# Altium PCB Tfinal3.PcbDoc (part 1 of 2) (continued)
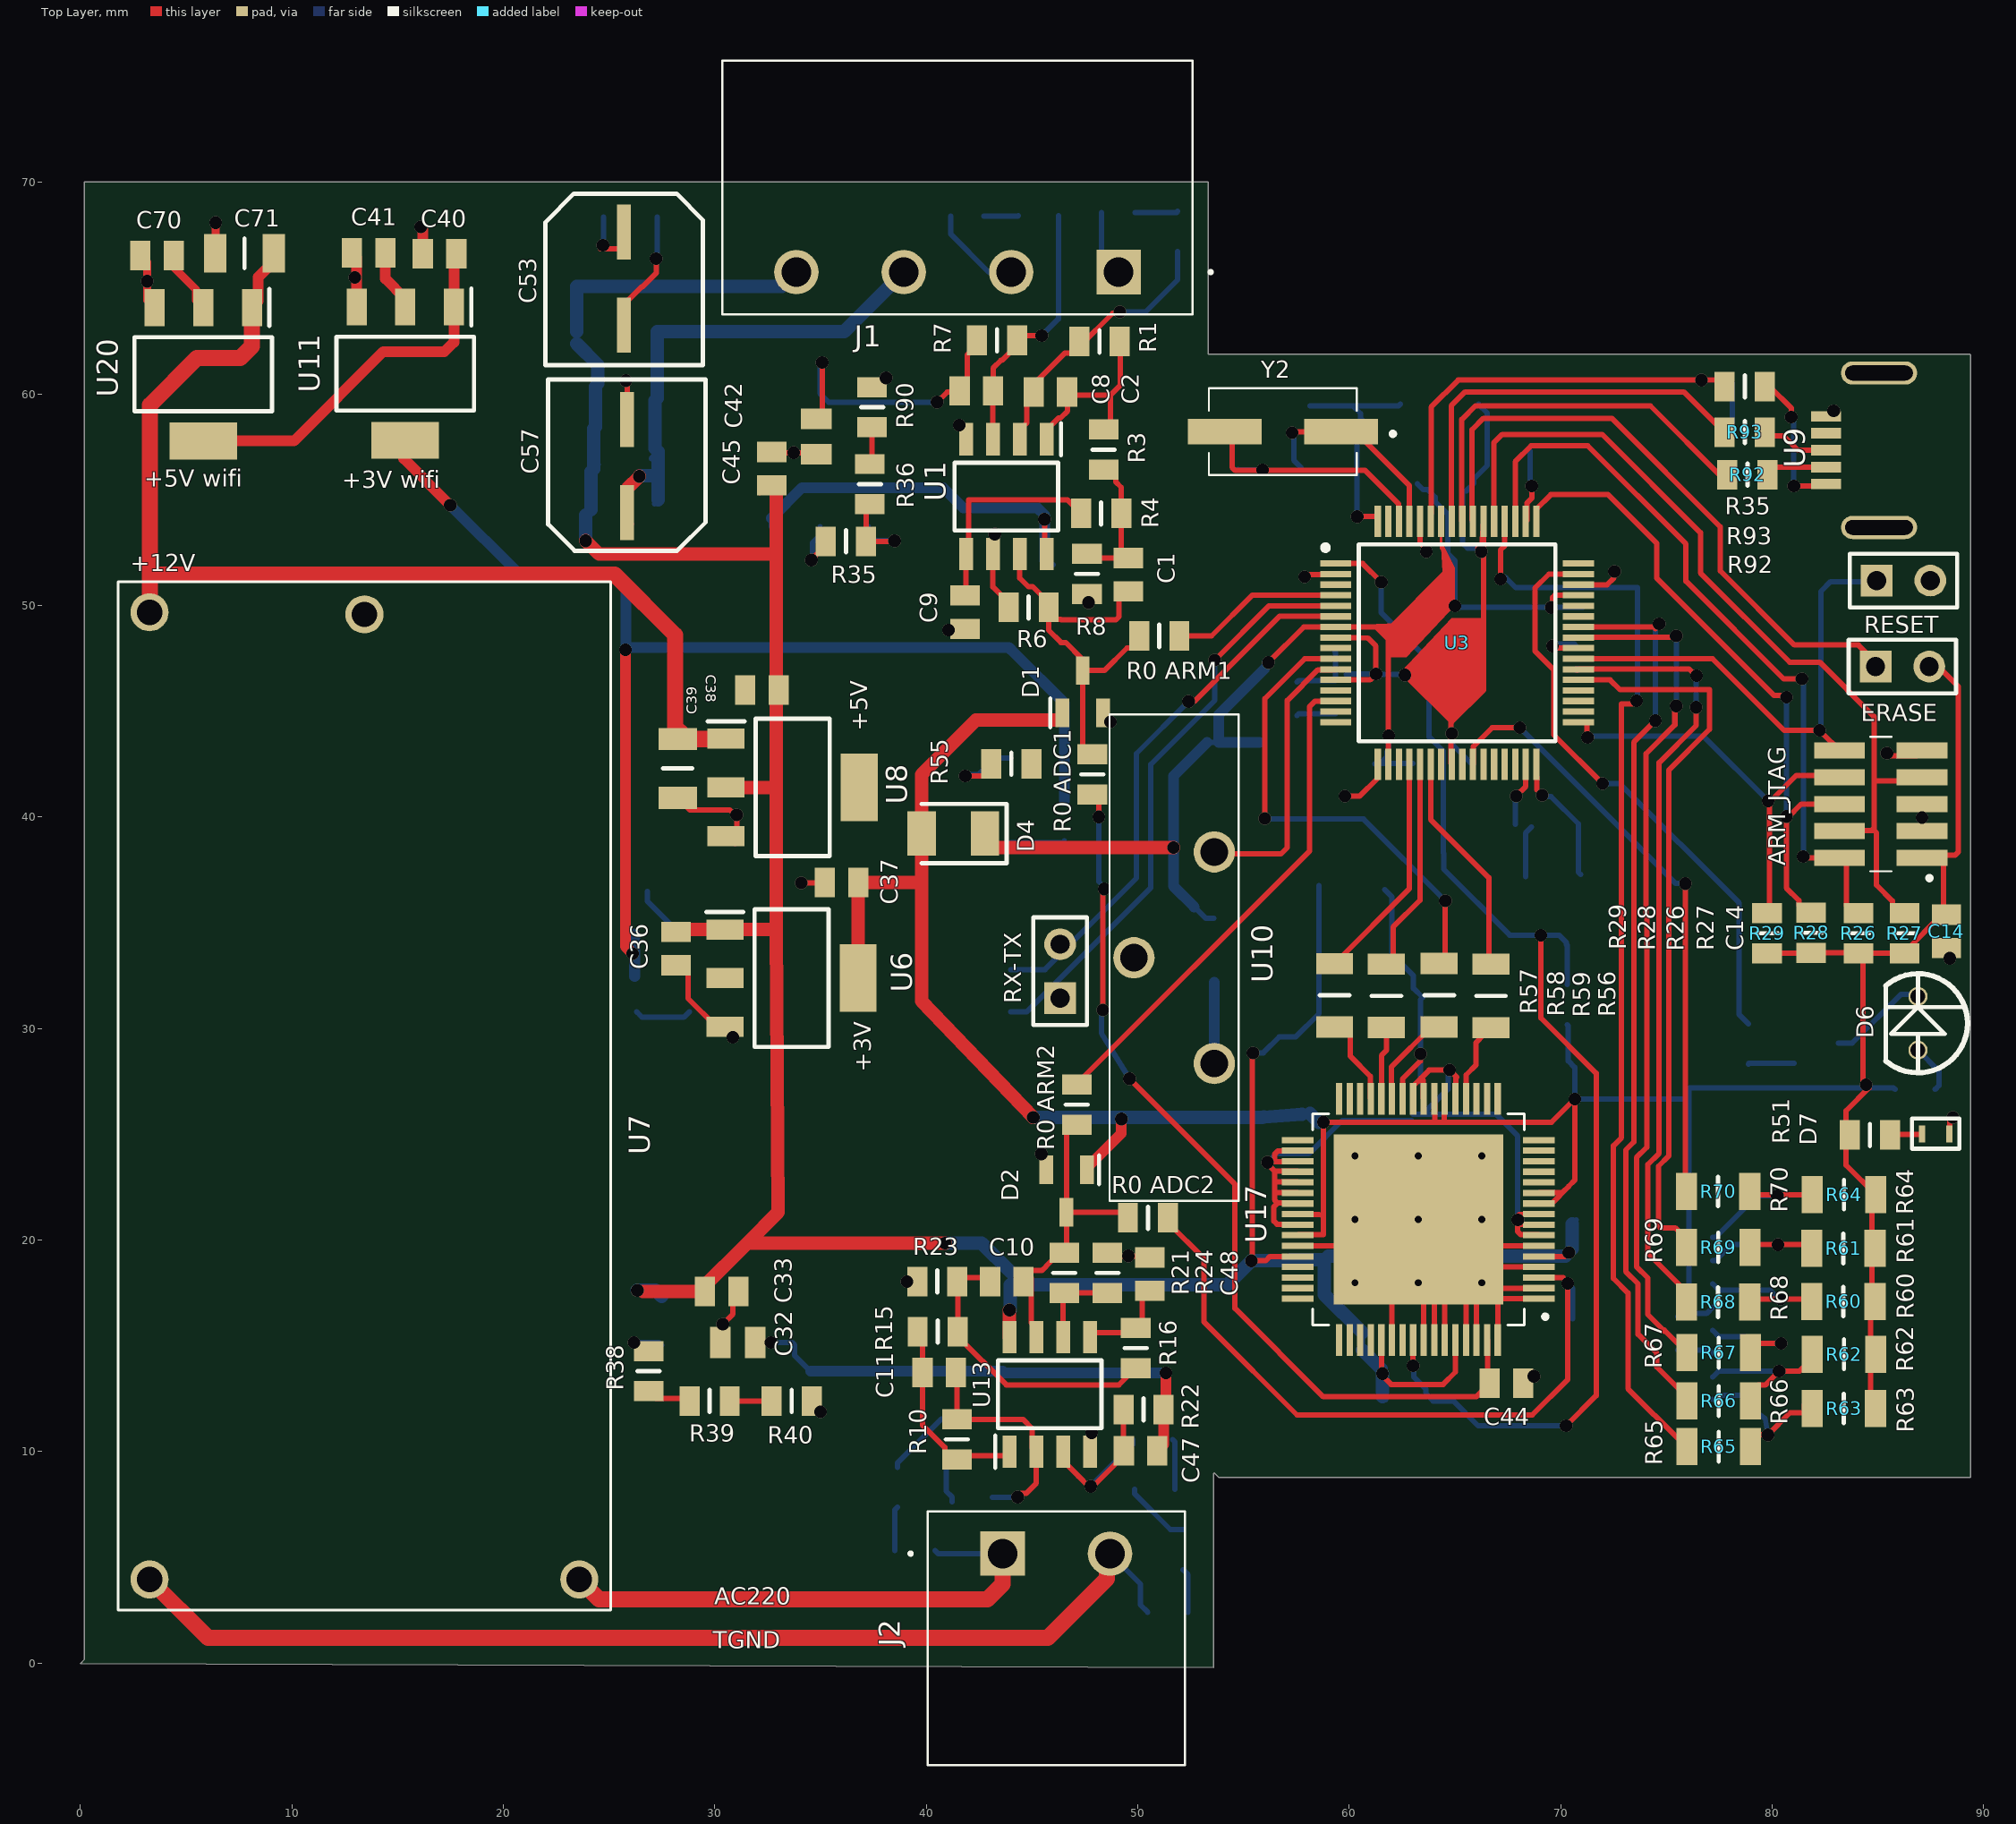
[diagram p0: Top Layer view]
## Components (designator, comment, footprint, x,y, rotation, side; value= is the part's Value field where it differs from the comment) (continued)
ERASE "Comment" HDR1X2 84.887,47.117 r0 top
IC1 "Comment" LM1117MP-ADJ/NOPB 30.632,15.037 r0 bottom locked
IC2 "Comment" LM1117MP-ADJ/NOPB 34.976,56.871 r90 bottom locked
J1 "Comment" "conector 4pines" 41.605,69.952 r180 top locked
J2 "Comment" "conector 2pines" 46.025,0.991 r0 top locked
L1 "CM453232-100KL" "Inductor smd 1812 ok" 64.393,63.576 r180 bottom locked
Q2 "MMBT2222ALT1G" "transistor led ok" 82.084,29.312 r0 bottom locked (schematic designator Q1)
"R0 ADC1" "Comment" "res 0805 ok" 45.644,42.047 r90 top
"R0 ADC2" "Comment" "res 0805 ok" 50.51,23.266 r0 top
"R0 ARM1" "Comment" "res 0805 ok" 51.044,50.775 r0 top
"R0 ARM2" "Comment" "res 0805 ok" 49.327,26.375 r270 top
R1 "RC0805FR-074K7L" "res 0805 ok" 48.169,60.274 r180 top locked
R2 "RC0805FR-073K16L" "res 0805 ok" 49.682,67.655 r270 bottom locked
R3 "RC0805FR-079K31L" "res 0805 ok" 50.597,57.343 r270 top locked
R4 "RC0805FR-074K7L" "res 0805 ok" 48.296,56.566 r0 top locked
R5 "RC0805FR-073K16L" "res 0805 ok" 45.329,66.218 r0 bottom locked
R6 "RC0805FR-0710KL" "res 0805 ok" 44.867,52.121 r0 top locked
R7 "RC0805FR-074K7L" "res 0805 ok" 43.322,60.325 r180 top locked
R8 "RC0805FR-079K31L" "res 0805 ok" 49.809,51.471 r270 top locked
R9 "RC0805FR-0710KL" "res 0805 ok" 40.97,50.917 r270 bottom locked
R10 "RC0805FR-074K7L" "res 0805 ok" 39.238,10.607 r90 top locked
R11 "RC0805FR-07412KL" "res 0805 ok" 39.487,3.124 r0 bottom
R12 "RC0805FR-07412KL" "res 0805 ok" 36.424,8.291 r270 bottom
R13 "RC0805FR-07412KL" "res 0805 ok" 43.155,10.627 r90 bottom
R14 "RC0805FR-0715K8L" "res 0805 ok" 42.154,10.058 r180 bottom locked
R15 "RC0805FR-079K31L" "res 0805 ok" 40.569,17.887 r0 top locked
R16 "RC0805FR-074K7L" "res 0805 ok" 52.116,14.874 r270 top locked
R17 "RC0805FR-07412KL" "res 0805 ok" 51.399,4.623 r180 bottom
R18 "RC0805FR-07412KL" "res 0805 ok" 49.936,5.344 r270 bottom
R19 "RC0805FR-07412KL" "res 0805 ok" 50.785,10.439 r180 bottom
R20 "RC0805FR-0715K8L" "res 0805 ok" 50.734,8.357 r0 bottom
R21 "RC0805FR-0710KL" "res 0805 ok" 44.318,18.481 r90 top locked
R22 "RC0805FR-074K7L" "res 0805 ok" 50.302,14.204 r0 top locked
R23 "RC0805FR-079K31L" "res 0805 ok" 40.498,15.829 r180 top locked
R24 "RC0805FR-0710KL" "res 0805 ok" 46.355,18.481 r90 top locked
R25 "RC0805FR-07130RL" "res 0805 ok" 86.782,24.917 r0 bottom locked
R26 "AC0805JR-07100KL" "res 0805 ok" 86.284,34.483 r270 top locked
R27 "AC0805JR-07100KL" "res 0805 ok" 88.468,34.483 r270 top locked
R28 "AC0805JR-07100KL" "res 0805 ok" 84.049,34.503 r270 top locked
R29 "AC0805JR-07100KL" "res 0805 ok" 81.966,34.483 r270 top locked
R31 "RC0805JR-0710KL" "res 0805 ok" 66.319,58.252 r270 bottom locked
R32 "RC0805JR-0710KL" "res 0805 ok" 71.763,50.194 r180 bottom locked
R34 "RC0805JR-0710KL" "res 0805 ok" 76.657,29.251 r270 bottom locked (schematic designator R30)
R35 "Comment" "res 0805 ok" 36.231,55.245 r0 top locked
R35 "AC0805JR-07100KL" "res 0805 ok" 78.679,58.141 r180 top locked
R36 "Comment" "res 0805 ok" 35.128,55.763 r90 top locked
R38 "Comment" "res 0805 ok" 24.663,13.833 r90 top locked
R39 "Comment" "res 0805 ok" 29.733,10.185 r180 top locked
R40 "Comment" "res 0805 ok" 33.614,10.185 r180 top locked
R51 "RC0805FR-07130RL" "res 0805 ok" 84.643,27.178 r0 top locked (schematic designator R25)
R52 "RC0805JR-0710KL" "res 0805 ok" 28.499,31.455 r90 bottom locked
R53 "RC0805JR-0710KL" "res 0805 ok" 24.054,35.443 r270 bottom locked
R54 "RC0805JR-0710KL" "res 0805 ok" 44.323,39.792 r270 bottom locked
R55 "RC0805JR-0710KL" "res 0805 ok" 44.003,40.31 r180 top locked
R56 "RC1206JR-07100RL" "Res 1206 ok" 63.932,31.624 r90 top locked
R57 "RC1206JR-07100RL" "Res 1206 ok" 56.54,31.65 r90 top locked
R58 "RC1206JR-07100RL" "Res 1206 ok" 58.991,31.627 r90 top locked
R59 "RC1206JR-07100RL" "Res 1206 ok" 61.485,31.653 r90 top locked
R60 "RC1206JR-0768KL" "Res 1206 ok" 83.288,14.326 r180 top locked
R61 "RC1206JR-0768KL" "Res 1206 ok" 83.288,16.84 r180 top locked
R62 "RC1206JR-0768KL" "Res 1206 ok" 83.313,11.836 r180 top locked
R63 "RC1206JR-0768KL" "Res 1206 ok" 83.311,9.271 r180 top locked
R64 "RC1206JR-0768KL" "Res 1206 ok" 83.313,19.38 r180 top locked
R65 "RC1206JR-07100RL" "Res 1206 ok" 77.545,13.005 r0 top locked
R66 "RC1206JR-07100RL" "Res 1206 ok" 77.545,15.164 r0 top locked
R67 "RC1206JR-07100RL" "Res 1206 ok" 77.545,17.45 r0 top locked
R68 "RC1206JR-07100RL" "Res 1206 ok" 77.519,19.837 r0 top locked
R69 "RC1206JR-07100RL" "Res 1206 ok" 77.522,22.428 r0 top locked
R70 "RC1206JR-07100RL" "Res 1206 ok" 77.519,25.07 r0 top locked
R90 "Comment" "res 0805 ok" 35.23,59.4 r90 top locked
R91 "Comment" "Res 1206 ok" 79.681,57.774 r0 bottom locked (schematic designator H1)
R92 "RC0805JR-0722RL" "res 0805 ok" 78.857,58.395 r0 top locked
R93 "RC0805JR-0722RL" "res 0805 ok" 78.73,60.401 r0 top locked
RESET "Comment" HDR1X2 84.938,51.181 r0 top
RX-TX "Comment" HDR1X2 46.33,31.445 r90 top
SS "CAP_CC0805KRX7R8BB104_YAGEO" "CAP smd 0805 ok" 78.974,61.229 r0 bottom locked
U1 "TLV2472CDR" "tlv2472 ok" 41.885,60.102 r270 top locked
U2 "LM2660MX/NOPB" "LM2660MX/NOPB ok" 25.375,65.659 r270 bottom locked
U3 "ATSAM4S8BA-AU" "arm ok" 65.1,48.235 r0 top locked
U4 "Comment" "micro sd" 82.529,17.152 r90 bottom locked
U5 "Comment" "3v reference ok" 71.272,31.267 r0 bottom
U6 "LM1117MP-3.3" "LM1117MP-3.3 ok" 33.63,32.385 r0 top locked
U7 "VOF-10B-S12" "CONV_VOF-10B-S12 ok" 13.437,26.821 r90 top locked
U8 "" "LM1117MP-5.0/NOPB ok" 34.569,41.529 r0 top locked
U9 "Comment" "usb mini" 88.649,57.342 r90 top locked
U10 "Comment" pila 52.095,33.35 r270 top locked
U11 "LM1117MP-3.3" "LM1117MP-3.3 ok" 15.367,60.96 r270 top locked
U12 "esp8266 12f" "modulo wifi ok" 36.398,34.29 r0 bottom locked
U13 "TLV2472CDR" "tlv2472 ok" 47.747,7.758 r90 top locked
U17 "ADS1174IPAPT" adc 63.271,20.98 r180 top locked
U19 "LM1117MP-1.8/NOPB" "1V8 ALIMENTACION" 59.868,32.029 r0 bottom
U20 "" "LM1117MP-5.0/NOPB ok" 5.944,60.045 r270 top locked (schematic designator U8)
Y1 "ECS-.327-12.5-34S-TR" "clk 32k ok" 69.587,35.942 r180 bottom locked
Y2 "ECS-120-20-3X-TR" "clk 12M ok" 57.383,52.375 r180 top

## Footprints (in the part's own frame and the unit in brackets; to place one, negate y for a bottom-side part, rotate by r counter-clockwise, add the part's x,y. Pads: shape width x height; smd on the part's side, far side on the other; paste and mask are expansions set on the pad)
"1V8 ALIMENTACION" [mm]
  rect 2.05x1 smd: 1(-3.175,2.427) 2(-3.175,0.127) 3(-3.175,-2.173)
  rect 2.05x3.25 smd: 4(3.175,0.127)
  silkscreen extent -3.3,-3.22 1.85,3.6, body extent -3.5,-3.12 3.5,3.38, height 1.62
"3v reference ok" [mm]
  rect 1.1x0.6 smd: 1(-0.973,1.077) 2(-0.973,-0.823) 3(1.227,0.127)
  silkscreen extent -1.52,-1.33 0.33,1.63, body extent -1.06,-1.33 1.31,1.59, height 0.94
adc [mm]
  rect 1.5x0.3 smd mask+0: 1(-5.7,3.75) 2(-5.7,3.25) 3(-5.7,2.75) 4(-5.7,2.25) 5(-5.7,1.75) 6(-5.7,1.25) 7(-5.7,0.75) 8(-5.7,0.25) 9(-5.7,-0.25) 10(-5.7,-0.75) 11(-5.7,-1.25) 12(-5.7,-1.75) 13(-5.7,-2.25) 14(-5.7,-2.75) 15(-5.7,-3.25) 16(-5.7,-3.75) 33(5.7,-3.75) 34(5.7,-3.25) 35(5.7,-2.75) 36(5.7,-2.25) 37(5.7,-1.75) 38(5.7,-1.25) 39(5.7,-0.75) 40(5.7,-0.25) 41(5.7,0.25) 42(5.7,0.75) 43(5.7,1.25) 44(5.7,1.75) 45(5.7,2.25) 46(5.7,2.75) 47(5.7,3.25) 48(5.7,3.75)
  rect 0.3x1.5 smd mask+0: 17(-3.75,-5.7) 18(-3.25,-5.7) 19(-2.75,-5.7) 20(-2.25,-5.7) 21(-1.75,-5.7) 22(-1.25,-5.7) 23(-0.75,-5.7) 24(-0.25,-5.7) 25(0.25,-5.7) 26(0.75,-5.7) 27(1.25,-5.7) 28(1.75,-5.7) 29(2.25,-5.7) 30(2.75,-5.7) 31(3.25,-5.7) 32(3.75,-5.7) 49(3.75,5.7) 50(3.25,5.7) 51(2.75,5.7) 52(2.25,5.7) 53(1.75,5.7) 54(1.25,5.7) 55(0.75,5.7) 56(0.25,5.7) 57(-0.25,5.7) 58(-0.75,5.7) 59(-1.25,5.7) 60(-1.75,5.7) 61(-2.25,5.7) 62(-2.75,5.7) 63(-3.25,5.7) 64(-3.75,5.7)
  rect 8.026x8.026 smd paste-5 mask+0: 65(0,0)
  silkscreen extent -6.1,-5 5,5, body extent -6,-6 6,6, height 1.2
"arm ok" [mm]
  rect 1.475x0.3 smd: 1(-5.738,3.75) 2(-5.738,3.25) 3(-5.738,2.75) 4(-5.738,2.25) 5(-5.738,1.75) 6(-5.738,1.25) 7(-5.738,0.75) 8(-5.738,0.25) 9(-5.738,-0.25) 10(-5.738,-0.75) 11(-5.738,-1.25) 12(-5.738,-1.75) 13(-5.738,-2.25) 14(-5.738,-2.75) 15(-5.738,-3.25) 16(-5.738,-3.75) 33(5.738,-3.75) 34(5.738,-3.25) 35(5.738,-2.75) 36(5.738,-2.25) 37(5.738,-1.75) 38(5.738,-1.25) 39(5.738,-0.75) 40(5.738,-0.25) 41(5.738,0.25) 42(5.738,0.75) 43(5.738,1.25) 44(5.738,1.75) 45(5.738,2.25) 46(5.738,2.75) 47(5.738,3.25) 48(5.738,3.75)
  rect 0.3x1.475 smd: 17(-3.75,-5.738) 18(-3.25,-5.738) 19(-2.75,-5.738) 20(-2.25,-5.738) 21(-1.75,-5.738) 22(-1.25,-5.738) 23(-0.75,-5.738) 24(-0.25,-5.738) 25(0.25,-5.738) 26(0.75,-5.738) 27(1.25,-5.738) 28(1.75,-5.738) 29(2.25,-5.738) 30(2.75,-5.738) 31(3.25,-5.738) 32(3.75,-5.738) 49(3.75,5.738) 50(3.25,5.738) 51(2.75,5.738) 52(2.25,5.738) 53(1.75,5.738) 54(1.25,5.738) 55(0.75,5.738) 56(0.25,5.738) 57(-0.25,5.738) 58(-0.75,5.738) 59(-1.25,5.738) 60(-1.75,5.738) 61(-2.25,5.738) 62(-2.75,5.738) 63(-3.25,5.738) 64(-3.75,5.738)
  silkscreen extent -6.35,-4.65 4.65,4.65, body extent -6,-6 6,6, height 1.6
"Cap 100uf" [mm] "0805"
  rect 0.97x1.47 smd: 1(-0.805,0.025) 2(0.855,0.025)
  body extent -0.97,-0.6 1.03,0.65, height 1.45
"cap smd 6.6x7.7" [mm]
  rect 2.6x0.65 smd: 1(-2.2,0) 2(2.2,0)
  silkscreen extent -4.01,-3.71 4.09,3.73, body extent -3.7,-3.27 3.6,3.33, height 7.7
"CAP smd 0805 ok" [mm]
  rect 0.96x1.39 smd: 1(-0.917,2.642) 2(0.663,2.642)
  body extent -1.13,2.02 0.87,3.27, height 0.95
"CAP smd 0805 OK" [mm]
  rect 0.96x1.39 smd: 1(-0.917,2.642) 2(0.663,2.642)
  body extent -1.13,2.02 0.87,3.27, height 0.95
"cap smd 1206 ok" [mm]
  rect 1.05x1.82 smd: 1(-1.593,-4.928) 2(1.187,-4.928)
  silkscreen extent -0.2,-5.63 -0.2,-4.23, body extent -1.8,-5.73 1.4,-4.13, height 1.8
"clk 12M ok" [mm]
  rect 3.5x1.2 smd: 1(-2.231,-5.842) 2(3.269,-5.842)
  silkscreen extent -4.78,-7.89 4.02,-3.79, body extent -3.29,-7.78 4.31,-3.68, height 2.31
"clk 32k ok" [mm]
  rect 1.1x1.9 smd: 1(-1.25,3.302) 2(1.25,3.302)
  silkscreen extent -2.3,2.55 0.5,4.05, body extent -1.6,2.55 1.6,4.05, height 0.92
"conector 2pines" [mm]
  rect 2.1x2.1 hole 1.4: 1(-2.413,4.191)
  round 2.1 hole 1.4: 2(2.667,4.191)
  silkscreen extent -6.81,-5.81 6.21,6.19, body extent -5.99,-5.81 6.17,6.19, height 8.89
"conector 4pines" [mm]
  rect 2.1x2.1 hole 1.4: 1(-7.493,4.191)
  round 2.1 hole 1.4: 2(-2.413,4.191) 3(2.667,4.191) 4(7.747,4.191)
  silkscreen extent -11.89,-5.81 11.25,6.19, body extent -10.82,-5.81 11.18,6.19, height 8.66
"conector jtag ok" [mm]
  rect 0.76x2.4 smd: 1(-2.54,-1.95) 2(-2.54,1.95) 3(-1.27,-1.95) 4(-1.27,1.95) 5(0,-1.95) 6(0,1.95) 7(1.27,-1.95) 8(1.27,1.95) 9(2.54,-1.95) 10(2.54,1.95)
  silkscreen extent -3.6,-2.4 3.17,0.5, body extent -3.2,-2.75 3.15,2.75, height 4.55
"CONV_VOF-10B-S12 ok" [mm]
  round 1.8 hole 1.2: 1(-22.86,10.16) 2(-22.86,-10.16) 3(22.86,10.16) 4(22.76,0)
  silkscreen extent -24.3,-11.65 24.3,11.65, body extent -24.38,-11.81 24.22,11.49, height 19.21
"Diode led" [mm]
  round 0.9 hole 0.7: A(-1.27,0) K(1.27,0)
  silkscreen extent -2.35,-2.34 2.35,1.52, body extent -1.99,-2.03 1.99,1.46, height 5.02
"diode shockit ok" [mm]
  rect 1.35x0.65 smd: 1(-1.15,0.985) 2(-1.15,-0.935) 3(0.85,0.025)
  silkscreen extent -1.82,1.56 -0.47,1.56, body extent -1.32,-1.42 1.08,1.48, height 1.01
"Diode smd 0603 green" [mm]
  rect 0.3x0.8 smd: A(-0.65,0) K(0.65,0)
  silkscreen extent -1.13,-0.7 1.13,0.73, body extent -0.8,-0.4 0.8,0.4, height 0.6
"diodo alimentacion" [mm]
  rect 1.35x2.1 smd: 1(-1.5,0) 2(1.5,0)
  silkscreen extent -2.53,-1.4 1.5,1.4, body extent -1.7,-0.95 1.7,0.95, height 1.16
HDR1X2 [mm] "Connector; Header; 2 Position"
  rect 1.5x1.5 hole 0.9: 1(0,0)
  round 1.5 hole 0.9: 2(2.54,0)
  silkscreen extent -1.27,-1.27 3.81,1.27
"Inductor smd 1812 ok" [mm]
  rect 2.15x1.25 smd: 1(-1.723,-4.064) 2(1.977,-4.064)
  silkscreen extent -2.67,-5.66 2.79,-2.03, body extent -2.12,-5.66 2.38,-2.46, height 3.4
"LM1117MP-3.3 ok" [mm]
  rect 1.75x0.95 smd: 1(-3.15,2.3) 2(-3.15,0) 3(-3.15,-2.3)
  rect 1.75x3.2 smd: 4(3.15,0)
  silkscreen extent -4.02,-3.25 1.75,3.25, body extent -3.5,-3.25 3.5,3.25, height 1.68
"LM1117MP-5.0/NOPB ok" [mm]
  rect 1.75x0.95 smd: 1(-4.039,2.173) 2(-4.039,-0.127) 3(-4.039,-2.427)
  rect 1.75x3.2 smd: 4(2.261,-0.127)
  silkscreen extent -4.91,-3.38 0.86,3.12, body extent -4.39,-3.38 2.61,3.12, height 1.68
LM1117MP-ADJ/NOPB [mm]
  rect 1.75x0.95 smd: 1(-3.15,2.3) 2(-3.15,0) 3(-3.15,-2.3)
  rect 1.75x3.2 smd: 4(3.15,0)
  silkscreen extent -4.02,-3.25 1.75,3.25, body extent -3.5,-3.25 3.5,3.25, height 1.68
"LM2660MX/NOPB ok" [mm]
  rect 1.528x0.65 smd: 1(-2.711,1.905) 2(-2.711,0.635) 3(-2.711,-0.635) 4(-2.711,-1.905) 5(2.711,-1.905) 6(2.711,-0.635) 7(2.711,0.635) 8(2.711,1.905)
  silkscreen extent -3.48,-2.45 1.6,2.58, body extent -3.01,-2.45 3.01,2.45, height 1.63
"micro sd" [mm]
  rect 0.85x1.1 smd: 1(2.978,-5.338) 2(1.878,-5.338) 3(0.778,-5.338) 4(-0.322,-5.338) 5(-1.422,-5.338) 6(-2.522,-5.338) 7(-3.622,-5.338)
  rect 0.75x1.1 smd: 8(-4.672,-5.338)
  rect 1.17x1.8 smd: 9(-5.882,-4.988)
  rect 1.9x1.35 smd: 10(-3.857,5.487) 11(2.113,5.487)
  rect 1.2x1 smd: 12(5.613,4.512) 13(5.613,0.812)
  rect 1.55x1.35 smd: 14(5.438,-5.213)
  silkscreen extent -6.1,-6.31 5.85,5.81, body extent -6,-5.47 5.95,5.93, height 1.44
"modulo wifi ok" [mm]
  rect 2.5x1 smd: 1(-7.6,3.5) 2(-7.6,1.5) 3(-7.6,-0.5) 4(-7.6,-2.5) 5(-7.6,-4.5) 6(-7.6,-6.5) 7(-7.6,-8.5) 8(-7.6,-10.5) 15(7.6,-10.5) 16(7.6,-8.5) 17(7.6,-6.5) 18(7.6,-4.5) 19(7.6,-2.5) 20(7.6,-0.5) 21(7.6,1.5) 22(7.6,3.5)
  rect 1x1.8 smd: 9(-5,-12) 10(-3,-12) 11(-1,-12) 12(1,-12) 13(3,-12) 14(5,-12)
  silkscreen extent -9.4,-12 8,12, body extent -8,-12 8,12, height 3.1
pila [mm]
  round 1.95 hole 1.3: 1(-5,1.524) 2(0,-2.276) 3(5,1.524)
  silkscreen extent -11.5,-3.43 11.5,2.67, body extent -11.5,-3.43 11.5,2.67, height 24.68
"res 0805 ok" [mm]
  rect 0.95x1.4 smd: 1(-0.975,-2.21) 2(0.925,-2.21)
  silkscreen extent -0.03,-2.73 -0.03,-1.68, body extent -1.03,-2.83 0.97,-1.58, height 0.6
"Res 1206 ok" [mm]
  rect 1x1.75 smd: 1(-1.576,-2.769) 2(1.424,-2.769)
  silkscreen extent -0.08,-3.47 -0.08,-2.07, body extent -1.63,-3.57 1.47,-1.97, height 0.65
"tlv2472 ok" [mm]
  rect 1.525x0.65 smd: 1(2.241,3.81) 2(2.241,2.54) 3(2.241,1.27) 4(2.241,0) 5(7.665,0) 6(7.665,1.27) 7(7.665,2.54) 8(7.665,3.81)
  silkscreen extent 1.48,-0.54 6.55,4.48, body extent 1.95,-0.54 7.95,4.36, height 1.75
"transistor led ok" [mm]
  rect 1.25x0.6 smd: 1(-1.05,0.955) 2(-1.05,-0.955) 3(1.05,0)
  silkscreen extent -1.68,-1.46 0.07,1.51, body extent -1.18,-1.46 1.19,1.46, height 1.11
"usb mini" [mm]
  rect 0.5x1.4 smd: 1(-1.6,6.1) 2(-0.8,6.1) 3(0,6.1) 4(0.8,6.1) 5(1.6,6.1)
  rrect100% 1.1x3.6 hole 0.7 slot 3.2 at 90 deg: MH1(3.65,3.6) MH2(-3.65,3.6)
  Top Layer pour cut-out: 2.95,2.1 1.5,2.1 1.5,1.3 2.95,1.3
  Top Layer pour cut-out: 2.95,0.5 1.5,0.5 1.5,0 2.95,0
  Top Layer pour cut-out: -1.5,0.5 -2.95,0.5 -2.95,0 -1.5,0
  Top Layer pour cut-out: -1.5,2.1 -2.95,2.1 -2.95,1.3 -1.5,1.3
  Top Layer pour cut-out: -1.5,0 1.5,0 1.5,3.6 -1.5,3.6
  body extent -3.85,-0.5 3.85,6.5, height 3.91

## Part data
ARM_JTAG: "Conn Unshrouded Header HDR 10 POS 1.27mm Solder ST Top Entry SMD Minitek127® T/R", Manufacturer 1="Amphenol ICC / FCI", Supplier Part Number 1=609-3695-1-ND, ComponentLink1Description=https://datasheet.ciiva.com/11749/0900766b8118d62a-11749057.pdf?src-supplier=RSComponents, ComponentLink1URL=https://datasheet.ciiva.com/11749/0900766b8118d62a-11749057.pdf?src-supplier=RSComponents, Manufacturer Part Number 1=20021121-00010C4LF, Pricing 1="1=0,91000, 10=0,76900, 100=0,69070 (USD)", RoHS=No, Stock 1=0, Supplier 1=Digi-Key
C1 C2 C8 C9 C10 C11 C47 C48: "0805 10 nF 50 V ±1% Tolerance C0G SMD Multilayer Ceramic Capacitor", Capacitance=10nF, Case/Package=0805, Case Code (Metric)=2012, Dielectric=C0G, Manufacturer 1=Murata, Manufacturer Part Number 1=GRM2195C1H103FA01D, Max Operating Temperature=125°C, Min Operating Temperature=-55°C, Package Quantity=4000, Temperature Coefficient=30ppm/°C, Tolerance=1%, Voltage=50V, Case Code (Imperial)=0805, ComponentLink1Description=https://datasheet.ciiva.com/29542/partnumbering-e-01-29542571.pdf?src-supplier=Digi-Key, ComponentLink1URL=https://datasheet.ciiva.com/29542/partnumbering-e-01-29542571.pdf?src-supplier=Digi-Key, ComponentLink2Description=https://datasheet.ciiva.com/29542/partnumbering-e-01-29542569.pdf?src-supplier=Digi-Key, ComponentLink2URL=https://datasheet.ciiva.com/29542/partnumbering-e-01-29542569.pdf?src-supplier=Digi-Key, ComponentLink3Description=https://datasheet.ciiva.com/29542/partnumbering-e-01-29542570.pdf?src-supplier=Digi-Key, ComponentLink3URL=https://datasheet.ciiva.com/29542/partnumbering-e-01-29542570.pdf?src-supplier=Digi-Key, ComponentLink4Description=https://datasheet.ciiva.com/17452/c02e-17452856.pdf?src-supplier=Avnet+Europe, ComponentLink4URL=https://datasheet.ciiva.com/17452/c02e-17452856.pdf?src-supplier=Avnet+Europe, ComponentLink5Description=https://datasheet.ciiva.com/16497/c02e-16497047.pdf?src-supplier=Future+Electronics, ComponentLink5URL=https://datasheet.ciiva.com/16497/c02e-16497047.pdf?src-supplier=Future+Electronics, Construction=Flat, Depth=1.25mm, Height=0.85mm, Lead Free="Lead Free", Length=2mm, Mount="Surface Mount", Packaging="Tape and Reel", Pricing 1="1=0,54310 (USD)", Radiation Hardening=No, REACH SVHC="No SVHC", RoHS=Yes, RoHS Compliant=Yes, Series=GRM, Stock 1=3, Supplier 1="Arrow Electronics", Supplier Part Number 1=GRM2195C1H103FA01D, Termination=SMD/SMT, Thickness=0.037inch, Voltage Rating=50V, Voltage Rating (DC)=50V, Width=1.25mm
C3 C7 C16 C17 C24 C36 C37 C38 C40 C41 C61 C62 C63 C64 C65 C66 C67 C68 C69 C70: "CAP CER 10UF 16V X5R 0805", Capacitance=10uF, Case/Package=0805, Case Code (Metric)=2012, Manufacturer 1=Samsung, Manufacturer Part Number 1=CL21A106KOCL3RC, Max Operating Temperature=85°C, Min Operating Temperature=-55°C, Package Quantity=1, Supplier Part Number 1=1276-2398-2-ND, Tolerance=10%, Voltage Rating=16V, Case Code (Imperial)=0805, ComponentLink1Description=https://datasheet.ciiva.com/25796/cl21a106kocl3rc-25796224.pdf?src-supplier=Digi-Key, ComponentLink1URL=https://datasheet.ciiva.com/25796/cl21a106kocl3rc-25796224.pdf?src-supplier=Digi-Key, Length=0.079inch, Mount="Surface Mount", Packaging="Tape and Reel", RoHS=Yes, RoHS Compliant=Yes, Series=CL, Stock 1=0, Supplier 1=Digi-Key, Thickness=0.037inch, Width=0.049inch
C4 C14 C18 C19 C20 C21 C25 C26 C27 C28 C29 C30 C46 C49 C50 C51 C52 C54 C55 C56 SS: "CAPACITOR, 0805, 100NF, 25V, REEL 4000", Capacitance=0.1uF, Case/Package=0805, Case Code (Metric)=2012, Dielectric=X7R, Insulation Resistance=100GR, Manufacturer 1=Yageo, Manufacturer Part Number 1=CC0805KRX7R8BB104, Max Operating Temperature=125°C, Min Operating Temperature=-55°C, Package Quantity=1, Resistor Type=Ceramic, Supplier Part Number 1=311-1141-1-ND, Tolerance=10%, Voltage Rating=25V, Case Code (Imperial)=0805, ComponentLink1Description=https://datasheet.ciiva.com/8034/70765-8034031.pdf?src-supplier=Element14, ComponentLink1URL=https://datasheet.ciiva.com/8034/70765-8034031.pdf?src-supplier=Element14, ComponentLink2Description=https://datasheet.ciiva.com/28450/1489800-28450789.pdf?src-supplier=Element14, ComponentLink2URL=https://datasheet.ciiva.com/28450/1489800-28450789.pdf?src-supplier=Element14, ComponentLink3Description=https://datasheet.ciiva.com/46430/1850775-46430166.pdf?src-supplier=Element14, ComponentLink3URL=https://datasheet.ciiva.com/46430/1850775-46430166.pdf?src-supplier=Element14, ComponentLink4Description=https://datasheet.ciiva.com/145/mlccorderingcode-145008.pdf?src-supplier=Digi-Key, ComponentLink4URL=https://datasheet.ciiva.com/145/mlccorderingcode-145008.pdf?src-supplier=Digi-Key, ComponentLink5Description=https://datasheet.ciiva.com/145/mlccorderingcode-145007.pdf?src-supplier=Digi-Key, ComponentLink5URL=https://datasheet.ciiva.com/145/mlccorderingcode-145007.pdf?src-supplier=Digi-Key, ComponentLink6Description=https://datasheet.ciiva.com/145/mlccorderingcode-145009.pdf?src-supplier=Digi-Key, ComponentLink6URL=https://datasheet.ciiva.com/145/mlccorderingcode-145009.pdf?src-supplier=Digi-Key, ComponentLink7Description=https://datasheet.ciiva.com/8034/1784427-8034030.pdf?src-supplier=Element14, ComponentLink7URL=https://datasheet.ciiva.com/8034/1784427-8034030.pdf?src-supplier=Element14, ComponentLink8Description=https://datasheet.ciiva.com/8034/1784427-8034029.pdf?src-supplier=Element14, ComponentLink8URL=https://datasheet.ciiva.com/8034/1784427-8034029.pdf?src-supplier=Element14, ComponentLink9Description=https://datasheet.ciiva.com/15189/getdatasheetpartid-330244-15189223.pdf?src-supplier=Verical, ComponentLink9URL=https://datasheet.ciiva.com/15189/getdatasheetpartid-330244-15189223.pdf?src-supplier=Verical, ComponentLink10Description=https://datasheet.ciiva.com/16625/upy-gphc-x7r-6-3v-to-50v-8-16625546.pdf?src-supplier=Avnet+Europe, ComponentLink10URL=https://datasheet.ciiva.com/16625/upy-gphc-x7r-6-3v-to-50v-8-16625546.pdf?src-supplier=Avnet+Europe, Depth=1.25mm, Halogen Free="Halogen Free", Height=0.85mm, Lead Free="Lead Free", Length=2mm, Material=Ceramic, Mount="Surface Mount", Number of Pins=2, Packaging="Tape and Reel", Pricing 1="1=0,12000, 10=0,08800, 50=0,04980, 100=0,04130, 500=0,02894, 1000=0,02396 (USD)", Radiation Hardening=No, REACH SVHC="No SVHC", RoHS=Yes, RoHS Compliant=Yes, Series=CC, Stock 1=278639, Supplier 1=Digi-Key, Termination=SMD/SMT, Thickness=0.033inch, Voltage Rating (DC)=25V, Width=0.049inch
C15 C22 C23 C31: "Multilayer Ceramic Capacitors MLCC - SMD/SMT 50volts 15pF 5% C0G", Capacitance=15pF, Case/Package=0805, Case Code (Metric)=2012, Dielectric=C0G, Dielectric Material=Ceramic, Manufacturer 1=KEMET, Manufacturer Part Number 1=C0805X150J5GACTU, Max Operating Temperature=125°C, Min Operating Temperature=-55°C, Package Quantity=4000, Supplier Part Number 1=399-7428-1-ND, Tolerance=5%, Voltage Rating=50V, Case Code (Imperial)=0805, ComponentLink1Description=http://www.mouser.com/ds/2/212/KEM_C1062_C0G_FT-CAP_SMD-1101746.pdf?src-supplier=Mouser, ComponentLink1URL=http://www.mouser.com/ds/2/212/KEM_C1062_C0G_FT-CAP_SMD-1101746.pdf?src-supplier=Mouser, ComponentLink2Description=http://www.kemet.com/kemet/web/homepage/kechome.nsf/file/KEM_C1062_C0G_FT-CAP_SMD.pdf/$file/KEM_C1062_C0G_FT-CAP_SMD.pdf?src-supplier=Avnet, ComponentLink2URL=http://www.kemet.com/kemet/web/homepage/kechome.nsf/file/KEM_C1062_C0G_FT-CAP_SMD.pdf/$file/KEM_C1062_C0G_FT-CAP_SMD.pdf?src-supplier=Avnet, ComponentLink3Description=https://search.kemet.com/component-edge/download/specsheet/C0805X150J5GACTU.pdf?src-supplier=Digi-Key, ComponentLink3URL=https://search.kemet.com/component-edge/download/specsheet/C0805X150J5GACTU.pdf?src-supplier=Digi-Key, Construction=Flat, Depth=1.25mm, Features="Soft Termination", Height=0.78mm, Lead Free="Lead Free", Length=0.083inch, Mount="Surface Mount", Packaging="Tape and Reel", Pricing 1="1=0,33000, 10=0,23100, 50=0,16160, 100=0,13860, 500=0,10396, 1000=0,08778 (USD)", Radiation Hardening=No, RoHS=Yes, RoHS Compliant=Yes, Series=FT-CAP, Stock 1=2348, Supplier 1=Digi-Key, Termination=SMD/SMT, Thickness=0.035inch, Voltage Rating (DC)=50V, Width=1.25mm
C34 C35 C60: "YAGEO   CC0805KKX7R7BB105   CERAMIC CAPACITOR, 1UF, 16V, X7R, 10%, 0805", Capacitance=1uF, Case/Package=0805, Case Code (Metric)=2012, Dielectric=X7R, Manufacturer 1=Yageo, Manufacturer Part Number 1=CC0805KKX7R7BB105, Max Operating Temperature=125°C, Min Operating Temperature=-55°C, Package Quantity=1, Supplier Part Number 1=311-1365-1-ND, Tolerance=10%, Voltage Rating=16V, Case Code (Imperial)=0805, ComponentLink1Description=https://datasheet.ciiva.com/144/mlccorderingcode-144902.pdf?src-supplier=Digi-Key, ComponentLink1URL=https://datasheet.ciiva.com/144/mlccorderingcode-144902.pdf?src-supplier=Digi-Key, ComponentLink2Description=https://datasheet.ciiva.com/144/mlccorderingcode-144903.pdf?src-supplier=Digi-Key, ComponentLink2URL=https://datasheet.ciiva.com/144/mlccorderingcode-144903.pdf?src-supplier=Digi-Key, ComponentLink3Description=https://datasheet.ciiva.com/144/mlccorderingcode-144904.pdf?src-supplier=Digi-Key, ComponentLink3URL=https://datasheet.ciiva.com/144/mlccorderingcode-144904.pdf?src-supplier=Digi-Key, ComponentLink4Description=https://datasheet.ciiva.com/11464/upy-gphc-x7r-6-3v-to-50v-8-11464750.pdf?src-supplier=Avnet, ComponentLink4URL=https://datasheet.ciiva.com/11464/upy-gphc-x7r-6-3v-to-50v-8-11464750.pdf?src-supplier=Avnet, ComponentLink5Description=https://datasheet.ciiva.com/13173/upy-gp-np0-16v-to-50v-8-3714-13173254.pdf?src-supplier=Mouser, ComponentLink5URL=https://datasheet.ciiva.com/13173/upy-gp-np0-16v-to-50v-8-3714-13173254.pdf?src-supplier=Mouser, ComponentLink6Description=https://datasheet.ciiva.com/7978/1489800-7978201.pdf?src-supplier=Element14, ComponentLink6URL=https://datasheet.ciiva.com/7978/1489800-7978201.pdf?src-supplier=Element14, ComponentLink7Description=https://datasheet.ciiva.com/28450/1489800-28450750.pdf?src-supplier=Element14, ComponentLink7URL=https://datasheet.ciiva.com/28450/1489800-28450750.pdf?src-supplier=Element14, ComponentLink8Description=https://datasheet.ciiva.com/15189/getdatasheetpartid-251802-15189206.pdf?src-supplier=Verical, ComponentLink8URL=https://datasheet.ciiva.com/15189/getdatasheetpartid-251802-15189206.pdf?src-supplier=Verical, Depth=1.25mm, Halogen Free="Halogen Free", Lead Free="Lead Free", Length=2mm, Mount="Surface Mount", Packaging="Tape and Reel", Pricing 1="1=0,16000, 10=0,11700, 50=0,06640, 100=0,05500, 500=0,03858, 1000=0,03194 (USD)", Radiation Hardening=No, REACH SVHC="No SVHC", RoHS=Yes, RoHS Compliant=Yes, Series=CC, Stock 1=516899, Supplier 1=Digi-Key, Termination=SMD/SMT, Thickness=0.049inch, Voltage Rating (DC)=16V, Width=0.049inch